# Altium PCB RTM_SFP_no-teardrops.PcbDoc (part 6 of 7)
Units mil, origin at the board's own origin, x right, y up, seen from the top; angles counter-clockwise.
Board outline 7185 x 5846.5 mil, 4 copper layers (Top Layer, MidPlane_1, MidPlane_2, Bottom Layer), stack 63.553 mil thick; 389 components, 333 nets, 1578 pads, 1486 vias.
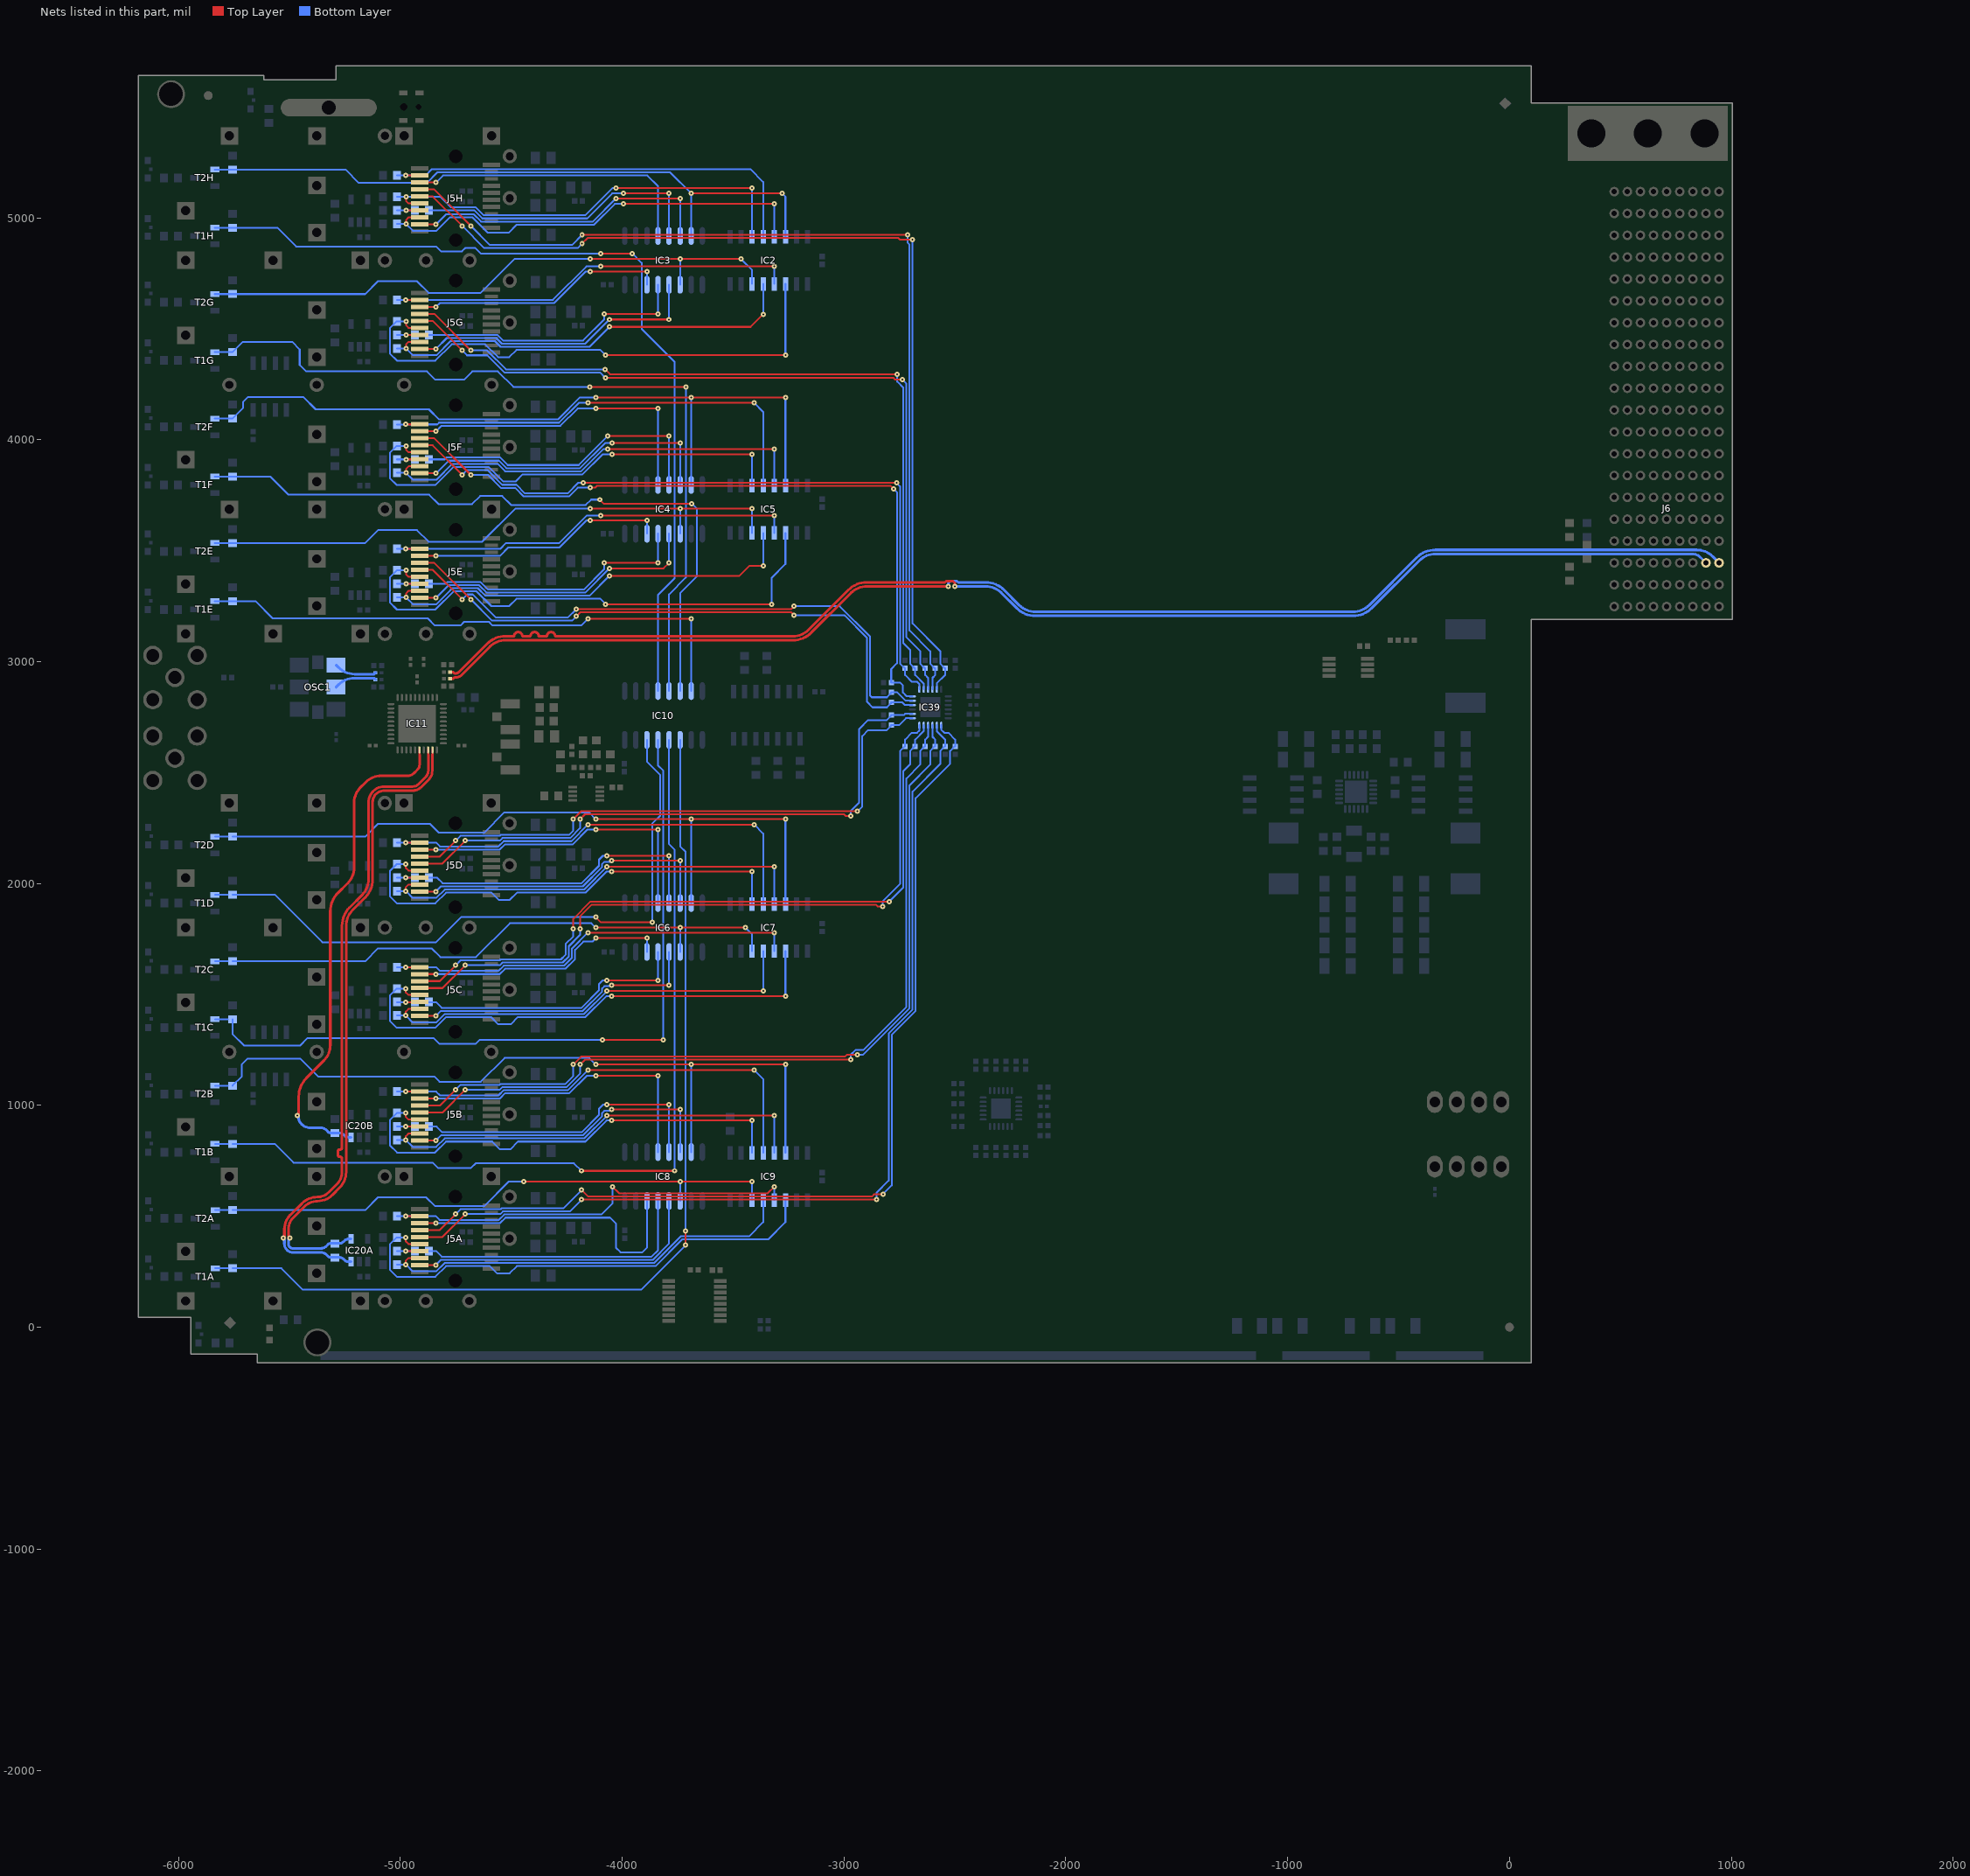
[diagram p8: the nets of this part, all layers, seen from the top]

## Via types
v1: diameter 23.62, hole 7.87, Top Layer to Bottom Layer, tented both sides, 1401 vias
v2: diameter 27.56, hole 11.81, Top Layer to Bottom Layer, tented both sides, 59 vias
v3: diameter 25.98, hole 12.99, Top Layer to Bottom Layer, tented top, 24 vias
v4: diameter 23.62, hole 11.81, Top Layer to Bottom Layer, tented both sides, 2 vias

## Nets (pads, with @x,y where several pads share a name; then routed paths per layer and width w, separated by ;. In a path a pad name is that pad's centre, name@x,y a point inside that pad or via, vN(x,y) a via of type N, cw(c..) or ccw(c..) an arc to the next point about the centre after c; other vN are vias at no path point) (continued)
SFP_CLK7.CLOCK_P: IC11.26 IC20B.3 R105B.1 | length 2236.1
  Top Layer w10: IC11.26@-4914.57,2601.97 -4914.57,2581.08 -4913.72,2580.24
  Top Layer w12: v1(-5464.08,953.15) -5458.27,958.96 -5458.27,1040.05 cw(c-5342.33,1040.05) -5424.31,1122.04 -5345.32,1201.03 ccw(c-5416.03,1271.74) -5316.03,1271.74 -5316.03,1874.82 cw(c-5200.17,1874.82) -5282.1,1956.74 -5237.84,2001 ccw(c-5308.55,2071.71) -5208.55,2071.71 -5208.55,2365.5 cw(c-5115.81,2365.5) -5181.39,2431.07 -5156.71,2455.75 cw(c-5086,2385.04) -5086,2485.04 -4966.72,2485.04 ccw(c-4966.72,2523.84) -4939.29,2496.4 -4922.97,2512.72 ccw(c-4945.29,2535.04) -4913.72,2535.04 -4913.72,2580.24
  Bottom Layer w12: v1(-5464.08,953.15) -5458.27,947.34 -5458.27,940.55 ; -5449.94,920.44 cw(c-5429.81,940.55) -5458.27,940.48 ; -5449.93,920.43 -5443.49,913.99 ccw(c-5406.05,951.43) -5406.05,898.48 -5358.96,898.48 cw(c-5358.96,861.84) -5333.06,887.76 -5325.73,880.43 ccw(c-5315,891.16) -5315,875.98 -5276.98,875.98 cw(c-5276.98,845.07) -5255.12,866.93 -5252.01,863.82 ccw(c-5233.86,881.96) -5233.86,856.3 IC20B.3@-5221.65,856.3 ; -5458.27,940.48 cw(c-5429.81,940.55) -5458.27,940.55 ; -5458.27,940.48 -5458.27,940.55
SFP_CLK8.CLOCK_N: IC11.29 IC20A.4 R105A.2 | length 2971
  Top Layer w10: -4856.35,2580.24 -4855.51,2581.08 IC11.29@-4855.51,2601.97
  Top Layer w12: v1(-5499.18,401.57) -5504.99,407.39 -5504.99,440.91 cw(c-5431.08,440.91) -5483.36,493.15 ; -5483.34,493.17 -5432.48,544.04 cw(c-5373.27,484.84) -5373.27,568.56 ccw(c-5373.27,662.73) -5306.7,596.13 ; -5311.45,591.37 -5274.17,628.66 ; -5306.69,596.14 -5274.11,628.72 ccw(c-5344.88,699.37) -5244.88,699.37 -5244.88,1809.37 cw(c-5144.88,1809.37) -5215.59,1880.08 -5159.02,1936.65 ccw(c-5240.67,2018.3) -5125.2,2018.3 -5125.2,2365.72 cw(c-5071.91,2365.72) -5109.62,2403.37 ; -5109.56,2403.43 cw(c-5071.91,2365.72) -5071.91,2419.01 -4944.15,2419.01 ccw(c-4944.15,2474.22) -4905.13,2435.17 -4873.09,2467.2 ccw(c-4913.5,2507.61) -4856.35,2507.61 -4856.35,2580.24
  Bottom Layer w12: v1(-5499.18,401.57) -5504.99,395.76 -5504.99,376.05 ccw(c-5483.92,376.05) -5498.84,361.17 ; -5498.81,361.14 ccw(c-5484.95,375.02) -5484.95,355.41 -5359.18,355.41 ccw(c-5359.18,392.6) -5332.89,366.3 ; -5332.87,366.31 -5325.71,373.47 cw(c-5315,362.76) -5315,377.9 -5275.03,377.9 ccw(c-5275.03,404.11) -5256.5,385.58 -5252.28,389.79 ; -5252.26,389.81 cw(c-5233.46,370.98) -5233.46,397.59 IC20A.4@-5221.65,397.59
SFP_CLK8.CLOCK_P: IC11.28 IC20A.3 R105A.1 | length 2968.3
  Top Layer w10: IC11.28@-4875.2,2601.97 -4875.2,2581.08 -4874.35,2580.24
  Top Layer w12: v1(-5528.8,401.57) -5522.99,407.39 -5522.99,441.6 cw(c-5432.73,441.6) -5496.55,505.41 -5444.64,557.32 cw(c-5373.93,486.61) -5373.93,586.61 ccw(c-5373.93,656.75) -5324.34,607.16 -5284.54,646.96 ccw(c-5336.82,699.24) -5262.88,699.24 -5262.88,759.84 ccw(c-5270.95,759.84) -5270.95,767.91 -5273.31,767.91 cw(c-5273.31,776.96) -5282.35,776.37 -5282.35,792.72 cw(c-5273.31,792.13) -5273.31,801.18 -5270.95,801.18 ccw(c-5270.95,809.25) -5262.88,809.25 -5262.88,1809.82 cw(c-5145.97,1809.82) -5228.64,1892.48 -5172.49,1948.64 ccw(c-5243.2,2019.35) -5143.2,2019.35 -5143.2,2366.08 cw(c-5072.77,2366.08) -5122.6,2415.85 ; -5121.95,2416.5 cw(c-5072.44,2367) -5072.44,2437.01 -4944.61,2437.01 ccw(c-4944.61,2475.32) -4917.52,2448.23 -4886.29,2479.46 ccw(c-4915.09,2508.27) -4874.35,2508.27 -4874.35,2580.24
  Bottom Layer w12: v1(-5528.8,401.57) -5522.99,395.76 -5522.99,375.98 ccw(c-5484.08,375.98) -5511.61,348.49 ; -5511.32,348.2 ccw(c-5485.27,374.25) -5485.27,337.41 -5358.96,337.41 cw(c-5358.96,300.77) -5333.06,326.69 -5325.73,319.36 ccw(c-5315,330.09) -5315,314.91 -5276.98,314.91 cw(c-5276.98,283.99) -5255.12,305.86 -5252.01,302.74 ccw(c-5233.86,320.89) -5233.86,295.23 IC20A.3@-5221.65,295.23
SFP_DETECTN1: IC2.11 J5H.6 R403H.1 | length 1990.8
  Top Layer w7.99: v1(-4974.92,5094.49) -4974.92,5076.71 -4963.42,5065.21 J5H.6@-4912.42,5065.21 ; v1(-4027.95,5133.86) v1(-3414.17,5133.86)
  Bottom Layer w7.99: R403H.1@-5015.75,5094.49 v1(-4974.92,5094.49) -4818.9,5094.49 -4771.87,5047.46 -4660.45,5047.46 -4624.41,5011.42 -4166.73,5011.42 -4044.29,5133.86 v1(-4027.95,5133.86) ; IC2.11@-3414.17,4914.82 v1(-3414.17,5133.86)
SFP_DETECTN2: IC2.3 J5G.6 R403G.1 | length 2480.3
  Top Layer w7.99: v1(-4974.92,4533.46) -4974.92,4515.69 -4963.42,4504.19 J5G.6@-4912.42,4504.19 ; v1(-4074.41,4380.71) v1(-3264.17,4380.71)
  Bottom Layer w7.99: v1(-4974.92,4533.46) R403G.1@-5015.75,4533.46 -5047.24,4501.97 -5047.24,4388.19 -5015.45,4356.4 -4842.17,4356.4 -4768.13,4430.44 -4617.74,4430.44 -4559.45,4372.15 -4509.74,4372.15 -4477.01,4404.88 -4098.58,4404.88 v1(-4074.41,4380.71) ; v1(-3264.17,4380.71) IC2.3@-3264.17,4702.22
SFP_DETECTN3: IC5.11 J5F.6 R403F.1 | length 2184.5
  Top Layer w7.99: v1(-4974.92,3972.44) -4974.92,3954.66 -4963.42,3943.17 J5F.6@-4912.42,3943.17 ; v1(-4045.27,3934.25) v1(-3414.17,3934.25)
  Bottom Layer w7.99: v1(-4974.92,3972.44) R403F.1@-5015.75,3972.44 -5047.24,3940.94 -5047.24,3827.17 -5015.45,3795.37 -4842.17,3795.37 -4759.99,3877.56 -4601.74,3877.56 -4535.3,3811.12 -4481.2,3811.12 -4448.46,3843.86 -4179.06,3843.86 -4088.67,3934.25 v1(-4045.27,3934.25) ; IC5.11@-3414.17,3792.77 v1(-3414.17,3934.25)
SFP_DETECTN4: IC5.3 J5E.6 R403E.1 | length 2451.9
  Top Layer w7.99: v1(-4974.92,3411.42) -4974.92,3393.64 -4963.42,3382.14 J5E.6@-4912.42,3382.14 ; v1(-4074.41,3258.66) v1@-3326.38,3258.66 ; v1@-3326.77,3258.66 v1(-3326.38,3258.27)
  Bottom Layer w7.99: v1(-4974.92,3411.42) R403E.1@-5015.75,3411.42 -5047.24,3379.92 -5047.24,3266.14 -5015.45,3234.35 -4842.17,3234.35 -4759.59,3316.93 -4656.64,3316.93 -4589.81,3250.1 -4509.52,3250.1 -4476.78,3282.83 -4098.58,3282.83 v1(-4074.41,3258.66) ; v1(-3326.38,3258.27) -3326.38,3377.56 -3264.17,3439.76 IC5.3@-3264.17,3580.17
SFP_DETECTN5: IC7.11 J5D.6 R403D.1 | length 2163.8
  Top Layer w7.99: v1(-4975.48,2087.39) -4975.48,2069.61 -4963.98,2058.12 J5D.6@-4912.98,2058.12 ; v1(-4048.43,2053.94) v1(-3414.17,2053.94)
  Bottom Layer w7.99: v1(-4975.48,2087.39) -5016.31,2087.39 -5047.8,2055.9 -5047.8,1942.12 -5016.01,1910.33 -4842.73,1910.33 -4794.25,1958.81 -4589.13,1958.81 -4556.39,1926.08 -4506.76,1926.08 -4474.02,1958.81 -4165.99,1958.81 -4070.87,2053.94 v1(-4048.43,2053.94) ; IC7.11@-3414.17,1907.72 v1(-3414.17,2053.94)
SFP_DETECTN6: IC7.3 J5C.6 R403C.1 | length 2369.8
  Top Layer w7.99: v1(-4975.48,1526.37) -4975.48,1508.59 -4963.98,1497.1 J5C.6@-4912.98,1497.1 ; v1(-4048.43,1492.91) v1(-3264.17,1492.91)
  Bottom Layer w7.99: v1(-4975.48,1526.37) -5016.31,1526.37 -5047.8,1494.87 -5047.8,1381.1 -5016.01,1349.3 -4842.73,1349.3 -4794.25,1397.79 -4591.49,1397.79 -4558.75,1365.05 -4502.43,1365.05 -4469.69,1397.79 -4165.99,1397.79 -4070.87,1492.91 v1(-4048.43,1492.91) ; v1(-3264.17,1492.91) IC7.3@-3264.17,1695.13
SFP_DETECTN7: IC9.11 J5B.6 R403B.1 | length 2166.6
  Top Layer w7.99: v1(-4975.48,965.35) -4975.48,947.57 -4963.98,936.07 J5B.6@-4912.98,936.07 ; v1(-4048.43,931.89) v1(-3414.17,931.89)
  Bottom Layer w7.99: v1(-4975.48,965.35) -5016.31,965.35 -5047.8,933.85 -5047.8,820.07 -5014.74,787.01 -4844,787.01 -4794.25,836.76 -4585.98,836.76 -4551.18,801.97 -4504.72,801.97 -4469.93,836.76 -4165.99,836.76 -4070.87,931.89 v1(-4048.43,931.89) ; IC9.11@-3414.17,785.68 v1(-3414.17,931.89)
SFP_DETECTN8: IC9.3 J5A.6 R403A.1 | length 2309.6
  Top Layer w7.99: v1(-4975.48,404.32) -4975.48,386.54 -4963.98,375.05 J5A.6@-4912.98,375.05
  Bottom Layer w7.99: v1(-4975.48,404.32) -5016.31,404.32 -5047.8,372.83 -5047.8,259.05 -5016.01,227.26 -4842.73,227.26 -4794.25,275.74 -4597,275.74 -4564.26,243 -4507.55,243 -4474.81,275.74 -3850.33,275.74 -3730.4,395.67 -3342.13,395.67 -3264.17,473.62 IC9.3@-3264.17,573.08
SFP_I2C_1.SCL: IC39.2 J5A.5 R317.1 | length 4412.9
  Top Layer w7.99: J5A.5@-4912.98,406.54 -4810.37,406.54 v1(-4707.09,509.83) ; v1(-4183.07,575.2) v1(-2853.15,575.2)
  Bottom Layer w7.99: v1(-4707.09,509.83) -4549.59,509.83 -4537.59,521.83 -4236.43,521.83 v1(-4183.07,575.2) ; v1(-2853.15,575.2) -2853.15,606.3 -2798.79,660.66 -2798.79,1324.03 -2691.08,1431.74 -2691.08,2414.04 -2566.34,2538.78 -2566.34,2597.61 -2546.23,2617.72 R317.1@-2543.9,2617.72 -2543.9,2648.82 -2581.44,2686.36 IC39.2@-2581.44,2713.39
SFP_I2C_1.SDA: IC39.1 J5A.4 R316.1 | length 4466.6
  Top Layer w7.99: J5A.4@-4912.98,438.04 -4822.18,438.04 v1(-4750.39,509.83) ; v1(-4183.07,618.5) -4153.76,589.19 -2873.8,589.19 -2862.99,600 v1(-2824.41,600)
  Bottom Layer w7.99: v1(-4750.39,509.83) -4728.59,531.64 -4547.57,531.64 -4543.39,535.83 -4265.75,535.83 v1(-4183.07,618.5) ; v1(-2824.41,600) -2784.8,639.61 -2784.8,1318.23 -2677.09,1425.94 -2677.09,2384.33 -2521.26,2540.16 -2521.26,2597.61 -2501.15,2617.72 R316.1@-2498.82,2617.72 -2498.82,2648.82 -2528.94,2678.94 -2547.64,2678.94 -2561.76,2693.06 IC39.1@-2561.76,2713.39
SFP_I2C_2.SCL: IC39.4 J5B.5 R319.1 | length 3740.1
  Top Layer w7.99: J5B.5@-4912.98,967.57 -4810.37,967.57 v1(-4707.09,1070.85) ; v1(-4189.76,1183.85) -4167.96,1205.66 v1(-2969.54,1205.66)
  Bottom Layer w7.99: v1(-4707.09,1070.85) -4551.56,1070.85 -4539.7,1082.71 -4250.06,1082.71 -4189.76,1143.01 v1(-4189.76,1183.85) ; v1(-2969.54,1205.66) -2969.54,1228.04 -2948.31,1249.27 -2913.12,1249.27 -2719.06,1443.33 -2719.06,2473.46 -2656.69,2535.83 -2656.69,2597.61 -2636.58,2617.72 R319.1@-2634.25,2617.72 -2634.25,2648.82 -2620.81,2662.26 IC39.4@-2620.81,2713.39
SFP_I2C_2.SDA: IC39.3 J5B.4 R318.1 | length 3750.1
  Top Layer w7.99: J5B.4@-4912.98,999.06 -4822.18,999.06 v1(-4750.39,1070.85) ; v1@-4220.47,1183.98 -4184.8,1219.65 -2995.67,1219.65 -2987.85,1227.46 v1(-2939.28,1227.46)
  Bottom Layer w7.99: v1(-4750.39,1070.85) -4728.59,1092.66 -4552.22,1092.66 -4548.18,1096.7 -4255.86,1096.7 -4220.47,1132.09 v1(-4220.47,1183.85) ; v1(-2939.28,1227.46) -2915.14,1227.46 -2705.07,1437.53 -2705.07,2442.17 -2611.42,2535.83 -2611.42,2597.61 -2591.31,2617.72 R318.1@-2588.98,2617.72 -2588.98,2648.82 -2601.13,2660.97 IC39.3@-2601.13,2713.39
SFP_I2C_3.SCL: IC39.6 J5C.5 R321.1 | length 3222.2
  Top Layer w7.99: J5C.5@-4912.98,1528.59 -4810.37,1528.59 v1(-4707.09,1631.88) ; v1(-4189.76,1796.06) -4189.76,1851.57 -4137.01,1904.33 -2856.69,1904.33 -2848.82,1896.46 v1(-2826.48,1896.46)
  Bottom Layer w7.99: v1(-4707.09,1631.88) -4551.56,1631.88 -4539.7,1643.73 -4268.28,1643.73 -4240.94,1671.07 -4240.94,1716.74 -4189.76,1767.91 v1(-4189.76,1796.06) ; v1(-2826.48,1896.46) -2826.48,1918.9 -2747.05,1998.33 -2747.05,2597.61 -2726.94,2617.72 R321.1@-2724.61,2617.72 -2724.61,2648.82 -2694.49,2678.94 -2670.87,2678.94 -2660.18,2689.62 IC39.6@-2660.18,2713.39
SFP_I2C_3.SDA: IC39.5 J5C.4 R320.1 | length 3200.7
  Top Layer w7.99: J5C.4@-4912.98,1560.09 -4822.18,1560.09 v1(-4750.39,1631.88) ; v1(-4220.47,1796.06) -4220.47,1840.65 -4142.8,1918.32 v1@-2796.22,1918.32
  Bottom Layer w7.99: v1(-4750.39,1631.88) -4728.59,1653.69 -4552.22,1653.69 -4548.18,1657.72 -4276.13,1657.72 -4254.93,1678.92 -4254.93,1727.35 -4220.47,1761.81 v1(-4220.47,1796.06) ; v1(-2796.22,1918.26) -2733.06,1981.42 -2733.06,2505.53 -2701.97,2536.61 -2701.97,2597.61 -2681.86,2617.72 R320.1@-2679.53,2617.72 -2679.53,2648.82 -2640.5,2687.85 IC39.5@-2640.5,2713.39
SFP_I2C_4.SCL: IC39.8 J5D.5 R323.1 | length 2739.8
  Top Layer w7.99: J5D.5@-4912.98,2089.61 -4810.37,2089.61 v1(-4707.09,2192.9) ; v1(-4189.76,2290.15) -4167.96,2311.96 -2999.75,2311.96 -2991.88,2304.08 v1(-2969.54,2304.08)
  Bottom Layer w7.99: v1(-4707.09,2192.9) -4551.56,2192.9 -4539.7,2204.76 -4234.51,2204.76 -4189.76,2249.5 v1(-4189.76,2290.15) ; v1(-2969.54,2304.08) -2969.54,2326.52 -2932.11,2363.95 -2932.11,2695.25 -2890.95,2736.42 -2807.31,2736.42 -2787.2,2756.53 R323.1@-2787.2,2758.86 -2730.51,2758.86 -2724.8,2764.57 IC39.8@-2691.68,2764.57
SFP_I2C_4.SDA: IC39.7 J5D.4 R322.1 | length 2697
  Top Layer w7.99: J5D.4@-4912.98,2121.11 -4822.18,2121.11 v1(-4750.39,2192.9) ; v1@-4220.47,2290.28 -4184.8,2325.95 v1(-2939.28,2325.89)
  Bottom Layer w7.99: v1(-4750.39,2192.9) -4728.59,2214.71 -4552.22,2214.71 -4548.18,2218.75 -4240.31,2218.75 -4220.47,2238.58 v1(-4220.47,2290.15) ; v1(-2939.28,2325.89) -2918.11,2347.06 -2918.11,2664.17 -2890.95,2691.34 -2807.31,2691.34 -2787.2,2711.45 R322.1@-2787.2,2713.78 -2751.57,2713.78 -2720.46,2744.89 IC39.7@-2691.68,2744.89
SFP_I2C_5.SCL: IC39.11 J5E.5 R330.1 | length 2701.1
  Top Layer w7.99: J5E.5@-4912.42,3413.64 -4854.19,3413.64 v1(-4720.87,3280.31) ; v1(-4207.09,3236.46) -3238.74,3236.46 v1(-3225.59,3249.61)
  Bottom Layer w7.99: v1(-4720.87,3280.31) -4698.82,3302.36 -4673.49,3302.36 -4569.55,3198.43 -4245.12,3198.43 v1(-4207.09,3236.46) ; v1(-3225.59,3249.61) -3019.29,3249.61 -2882.68,3112.99 -2882.68,2846.85 -2875.04,2839.21 -2806.68,2839.21 -2787.2,2858.69 R330.1@-2787.2,2861.02 -2759.84,2861.02 -2722.45,2823.63 IC39.11@-2691.68,2823.63
SFP_I2C_5.SDA: IC39.10 J5E.4 R329.1 | length 2710.2
  Top Layer w7.99: J5E.4@-4912.42,3445.13 -4847.1,3445.13 v1(-4682.28,3280.31) ; v1(-4207.09,3203.94) -4188.56,3222.47 -3238.61,3222.47 v1(-3225.59,3209.45)
  Bottom Layer w7.99: v1(-4682.28,3280.31) -4586.4,3184.43 -4226.59,3184.43 v1(-4207.09,3203.94) ; v1(-3225.59,3209.45) -2998.92,3209.45 ; -2996.17,3206.69 -2998.92,3209.45 ; IC39.10@-2691.68,2803.94 -2725.2,2803.94 -2737.01,2815.75 R329.1@-2787.2,2815.75 -2787.2,2813.42 -2806.68,2793.94 -2871.89,2793.94 -2896.67,2818.72 -2896.67,3107.2 -2998.92,3209.45
SFP_I2C_6.SCL: IC39.13 J5F.5 R332.1 | length 3266.2
  Top Layer w7.99: J5F.5@-4912.42,3974.66 -4854.19,3974.66 v1(-4720.87,3841.34) ; v1(-4175.2,3805.91) v1(-2762.99,3805.91)
  Bottom Layer w7.99: v1(-4720.87,3841.34) -4698.64,3863.57 -4607.53,3863.57 -4541.1,3797.13 -4477.15,3797.13 -4438.1,3758.09 -4246.29,3758.09 -4198.47,3805.91 v1(-4175.2,3805.91) ; v1(-2762.99,3805.91) -2747.05,3789.96 -2747.05,2990.39 -2726.94,2970.28 R332.1@-2724.61,2970.28 -2724.61,2939.17 -2694.49,2909.06 -2670.87,2909.06 -2660.18,2898.37 IC39.13@-2660.18,2874.81
SFP_I2C_6.SDA: IC39.12 J5F.4 R331.1 | length 3298.9
  Top Layer w7.99: J5F.4@-4912.42,4006.16 -4847.1,4006.16 v1(-4682.28,3841.34) ; v1(-4143.31,3783.86) -4122.62,3783.86 -4114.57,3791.91 -2789.94,3791.91 v1(-2775.98,3777.95)
  Bottom Layer w7.99: v1(-4682.28,3841.34) -4605.09,3841.34 -4546.89,3783.14 -4482.94,3783.14 -4443.9,3744.09 -4240.5,3744.09 -4200.73,3783.86 v1@-4144.09,3783.86 ; v1(-2775.98,3777.95) -2761.04,3763.01 -2761.04,2992.52 -2787.2,2966.35 R331.1@-2787.2,2906.1 -2748.23,2906.1 -2734.65,2892.52 -2734.65,2860.63 -2717.33,2843.31 IC39.12@-2691.68,2843.31
SFP_I2C_7.SCL: IC39.15 J5G.5 R334.1 | length 3730.5
  Top Layer w7.99: J5G.5@-4912.42,4535.69 -4854.19,4535.69 v1(-4720.87,4402.36) ; v1(-4075.98,4279.13) -2777.69,4279.13 -2768.88,4270.32 v1(-2736.77,4270.32)
  Bottom Layer w7.99: v1(-4720.87,4402.36) -4699.06,4380.56 -4608.51,4380.56 -4530.83,4302.87 -4099.72,4302.87 v1(-4075.98,4279.13) ; v1(-2736.77,4270.32) -2719.05,4252.6 -2719.05,3109.99 -2656.69,3047.64 -2656.69,2990.39 -2636.58,2970.28 R334.1@-2634.25,2970.28 -2634.25,2939.17 -2620.81,2925.73 IC39.15@-2620.81,2874.81
SFP_I2C_7.SDA: IC39.14 J5G.4 R333.1 | length 3733.3
  Top Layer w7.99: J5G.4@-4912.42,4567.18 -4847.1,4567.18 v1(-4682.28,4402.36) ; v1(-4076.32,4316.87) -4054.72,4295.28 v1(-2759.84,4295.28)
  Bottom Layer w7.99: v1(-4682.28,4402.36) -4609.45,4402.36 -4523.96,4316.87 v1(-4076.32,4316.87) ; v1@-2759.84,4292.13 -2759.84,4262.2 -2733.05,4235.41 -2733.05,3084.23 -2701.97,3053.15 -2701.97,2990.39 -2681.86,2970.28 R333.1@-2679.53,2970.28 -2679.53,2939.17 -2640.5,2900.14 IC39.14@-2640.5,2874.81
SFP_I2C_8.SCL: IC39.17 J5H.5 R336.1 | length 4444.9
  Top Layer w7.99: J5H.5@-4912.42,5096.71 -4854.19,5096.71 v1(-4720.87,4963.39) ; v1(-4180.71,4884.25) -4155.33,4909.63 -2755.12,4909.63 -2747.3,4901.81 v1(-2691.05,4901.81)
  Bottom Layer w7.99: v1(-4720.87,4963.39) -4621.38,4863.9 -4201.06,4863.9 v1(-4180.71,4884.25) ; v1(-2691.05,4901.81) -2691.05,3171.76 -2566.34,3047.05 -2566.34,2990.39 -2546.23,2970.28 R336.1@-2543.9,2970.28 -2543.9,2939.17 -2581.44,2901.63 IC39.17@-2581.44,2874.81
SFP_I2C_8.SDA: IC39.16 J5H.4 R335.1 | length 4428.7
  Top Layer w7.99: J5H.4@-4912.42,5128.21 -4847.1,5128.21 v1(-4682.28,4963.39) ; v1(-4180.71,4923.62) v1(-2712.92,4923.62)
  Bottom Layer w7.99: v1(-4682.28,4963.39) -4596.8,4877.9 -4226.43,4877.9 v1(-4180.71,4923.62) ; v1(-2712.92,4923.62) -2712.92,4887.72 -2705.05,4879.85 -2705.05,3140.48 -2611.42,3046.85 -2611.42,2990.39 -2591.31,2970.28 R335.1@-2588.98,2970.28 -2588.98,2939.17 -2601.13,2927.02 IC39.16@-2601.13,2874.81
SFP_LED1_1: IC2.14 IC3.7 R10H.2 T2H.1 | length 3026.6
  Top Layer w7.99: v1(-3688.78,5109.84) v1(-3278.74,5109.84)
  Bottom Layer w7.99: T2H.1@-5836.61,5217.52 R10H.2@-5756.69,5217.52 -5247.64,5217.52 -5187.6,5157.48 -4881.14,5157.48 -4833.29,5205.33 -3784.27,5205.33 v1(-3688.78,5109.84) ; IC3.7@-3688.78,4918.52 v1@-3688.78,5101.97 ; v1(-3278.74,5109.84) -3264.17,5095.28 IC2.14@-3264.17,4914.82
SFP_LED1_2: IC2.6 IC3.11 R10G.2 T2G.1 | length 2730.4
  Top Layer w7.99: v1(-4143.31,4814.57) v1(-3738.78,4814.57) v1(-3464.17,4814.57)
  Bottom Layer w7.99: T2G.1@-5836.61,4656.5 R10G.2@-5756.69,4656.5 -5158.86,4656.5 -5100.79,4714.57 -4925.59,4714.57 -4873.23,4662.2 -4638.19,4662.2 -4485.83,4814.57 v1(-4143.31,4814.57) ; IC3.11@-3738.78,4698.52 v1(-3738.78,4814.57) ; v1(-3464.17,4814.57) -3414.17,4764.57 IC2.6@-3414.17,4702.22
SFP_LED1_3: IC4.7 IC5.14 R10F.2 T2F.1 | length 3505.4
  Top Layer w7.99: v1(-4118.9,4190.94) v1(-3688.78,4190.94) v1(-3264.17,4190.94)
  Bottom Layer w7.99: T2F.1@-5836.61,4095.47 R10F.2@-5756.69,4095.47 ; R10F.2@-5756.69,4095.47 -5708.66,4143.5 -5708.66,4171.26 -5687.01,4192.91 -5437.8,4192.91 -5381.89,4137.01 -4871.65,4137.01 -4825.59,4090.94 -4290.16,4090.94 -4190.16,4190.94 v1(-4118.9,4190.94) ; IC4.7@-3688.78,3796.47 v1(-3688.78,4190.94) ; IC5.14@-3264.17,3792.77 v1(-3264.17,4190.94)
SFP_LED1_4: IC4.11 IC5.6 R10E.2 T2E.1 | length 2752.4
  Top Layer w7.99: v1(-4143.31,3690.4) v1(-3738.78,3690.4) ; v1@-3736.66,3690.4 v1(-3414.17,3690.4)
  Bottom Layer w7.99: T2E.1@-5836.61,3534.45 R10E.2@-5756.69,3534.45 -5158.86,3534.45 -5100.79,3592.52 -4925.59,3592.52 -4873.23,3540.16 -4631.1,3540.16 -4480.86,3690.4 v1(-4143.31,3690.4) ; IC4.11@-3738.78,3576.47 v1(-3738.78,3690.4) ; IC5.6@-3414.17,3580.17 v1(-3414.17,3690.4)
SFP_LED1_5: IC6.7 IC7.14 R10D.2 T2D.1 | length 3401.6
  Top Layer w7.99: v1(-4118.9,2290.15) v1(-3688.78,2290.15) v1(-3264.17,2290.15)
  Bottom Layer w7.99: T2D.1@-5835.63,2210.63 -5778.54,2210.63 ; R10D.2@-5756.69,2210.63 -5158.86,2210.63 -5100.79,2268.7 -4866.09,2268.7 -4826.09,2228.7 -4622.09,2228.7 -4530.71,2320.08 -4148.83,2320.08 v1(-4118.9,2290.15) ; IC6.7@-3688.78,1911.43 v1(-3688.78,2290.15) ; IC7.14@-3264.17,1907.72 v1(-3264.17,2290.15)
SFP_LED1_6: IC6.11 IC7.6 R10C.2 T2C.1 | length 2708.9
  Top Layer w7.99: v1(-4118.9,1800.78) v1(-3738.78,1800.78) v1(-3444.49,1800.78)
  Bottom Layer w7.99: T2C.1@-5835.63,1649.61 -5778.54,1649.61 ; R10C.2@-5756.69,1649.61 -5158.86,1649.61 -5100.79,1707.68 -4859.64,1707.68 -4819.65,1667.68 -4659.49,1667.68 -4506.69,1820.47 -4138.59,1820.47 v1(-4118.9,1800.78) ; IC6.11@-3738.78,1691.43 v1(-3738.78,1800.78) ; v1(-3444.49,1800.78) -3414.17,1770.46 IC7.6@-3414.17,1695.13
SFP_LED1_7: IC8.7 IC9.14 R10B.2 T2B.1 | length 3524.8
  Top Layer w7.99: v1(-4118.9,1183.85) v1(-3688.78,1183.85) v1(-3264.17,1183.85)
  Bottom Layer w7.99: T2B.1@-5835.63,1088.58 -5778.54,1088.58 ; R10B.2@-5756.69,1088.58 -5714.57,1130.71 -5714.57,1185.04 -5688.58,1211.02 -5451.57,1211.02 -5370.67,1130.12 -4846.65,1130.12 -4823.19,1106.65 -4637.44,1106.65 -4530.31,1213.78 -4148.83,1213.78 v1(-4118.9,1183.85) ; IC8.7@-3688.78,789.38 v1(-3688.78,1183.85) ; IC9.14@-3264.17,785.68 v1(-3264.17,1183.85)
SFP_LED1_8: IC8.11 IC9.6 R10A.2 T2A.1 | length 2656.3
  Top Layer w7.99: v1(-4443.28,656.3) v1(-3738.58,656.3) v1(-3414.17,656.3)
  Bottom Layer w7.99: T2A.1@-5835.06,527.51 -5777.97,527.51 ; R10A.2@-5756.69,527.51 -5158.86,527.51 -5100.79,585.58 -4884.01,585.58 -4843.7,545.28 -4843.35,545.63 -4622.87,545.63 -4512.2,656.3 v1(-4443.28,656.3) ; IC8.11@-3738.78,569.38 v1@-3738.78,656.1 ; IC9.6@-3414.17,573.08 v1(-3414.17,656.3)